# Altium PCB PM12_CFD.PcbDoc (part 6 of 12)
Units mm, origin at the board's own origin, x right, y up, seen from the top; angles counter-clockwise.
Board outline 96.25 x 362.25 mm, 6 copper layers (Top Layer, Mid-Layer 1, Mid-Layer 2, Mid-Layer 3, Mid-Layer 4, Bottom Layer); 1413 components, 2881 nets, 4503 pads, 1682 vias.
Unrouted connection lines stored in the file: 4.
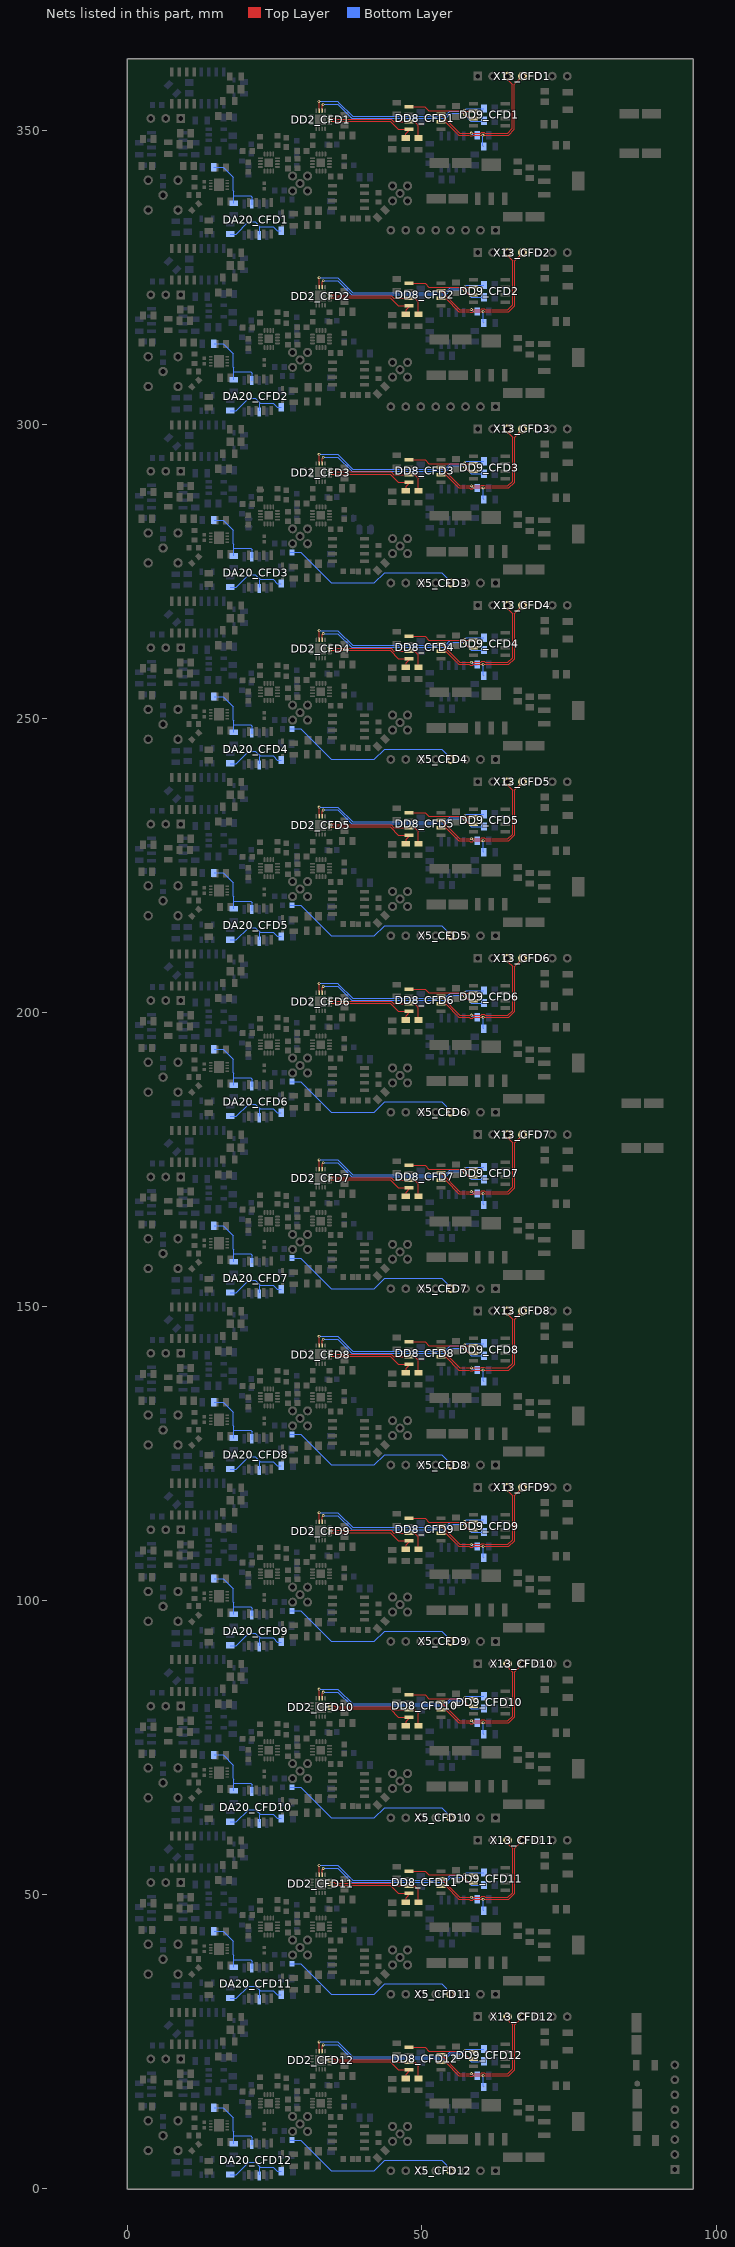
[diagram p10: the nets of this part, all layers, seen from the top]

## Via types
v1: diameter 0.48, hole 0.25, Top Layer to Bottom Layer, 1581 vias
v2: diameter 1, hole 0.6, Top Layer to Bottom Layer, 46 vias
v3: diameter 0.2/0/0/0/0/0.48 (per signal layer), hole 0.25, Top Layer to Bottom Layer, 33 vias
v4: diameter 4, hole 2.2, Top Layer to Bottom Layer, 12 vias
v5: diameter 0.5/0/0/0/0/1 (per signal layer), hole 0.6, Top Layer to Bottom Layer, 10 vias

## Nets (pads, with @x,y where several pads share a name; then routed paths per layer and width w, separated by ;. In a path a pad name is that pad's centre, name@x,y a point inside that pad or via, vN(x,y) a via of type N, cw(c..) or ccw(c..) an arc to the next point about the centre after c; other vN are vias at no path point) (continued)
DA10_VP_CFD3: R24_CFD3.1 X5_CFD3.4 | length 30.8
  Bottom Layer w0.2: R24_CFD3.1@27.6,278.2 29.364,278.2 34.554,273.01 41.915,273.01 43.655,274.75 53.33,274.75 X5_CFD3.4@54.88,273.2
DA10_VP_CFD4: R24_CFD4.1 X5_CFD4.4 | length 30.8
  Bottom Layer w0.2: R24_CFD4.1@27.6,248.2 29.364,248.2 34.554,243.01 41.915,243.01 43.655,244.75 53.33,244.75 X5_CFD4.4@54.88,243.2
DA10_VP_CFD5: R24_CFD5.1 X5_CFD5.4 | length 30.8
  Bottom Layer w0.2: R24_CFD5.1@27.6,218.2 29.364,218.2 34.554,213.01 41.915,213.01 43.655,214.75 53.33,214.75 X5_CFD5.4@54.88,213.2
DA10_VP_CFD6: R24_CFD6.1 X5_CFD6.4 | length 30.8
  Bottom Layer w0.2: R24_CFD6.1@27.6,188.2 29.364,188.2 34.554,183.01 41.915,183.01 43.655,184.75 53.33,184.75 X5_CFD6.4@54.88,183.2
DA10_VP_CFD7: R24_CFD7.1 X5_CFD7.4 | length 30.8
  Bottom Layer w0.2: R24_CFD7.1@27.6,158.2 29.364,158.2 34.554,153.01 41.915,153.01 43.655,154.75 53.33,154.75 X5_CFD7.4@54.88,153.2
DA10_VP_CFD8: R24_CFD8.1 X5_CFD8.4 | length 30.8
  Bottom Layer w0.2: R24_CFD8.1@27.6,128.2 29.364,128.2 34.554,123.01 41.915,123.01 43.655,124.75 53.33,124.75 X5_CFD8.4@54.88,123.2
DA10_VP_CFD9: R24_CFD9.1 X5_CFD9.4 | length 30.8
  Bottom Layer w0.2: R24_CFD9.1@27.6,98.2 29.364,98.2 34.554,93.01 41.915,93.01 43.655,94.75 53.33,94.75 X5_CFD9.4@54.88,93.2
DA10_VP_CFD10: R24_CFD10.1 X5_CFD10.4 | length 30.8
  Bottom Layer w0.2: R24_CFD10.1@27.6,68.2 29.364,68.2 34.554,63.01 41.915,63.01 43.655,64.75 53.33,64.75 X5_CFD10.4@54.88,63.2
DA10_VP_CFD11: R24_CFD11.1 X5_CFD11.4 | length 30.8
  Bottom Layer w0.2: R24_CFD11.1@27.6,38.2 29.364,38.2 34.554,33.01 41.915,33.01 43.655,34.75 53.33,34.75 X5_CFD11.4@54.88,33.2
DA10_VP_CFD12: R24_CFD12.1 X5_CFD12.4 | length 30.8
  Bottom Layer w0.2: R24_CFD12.1@27.6,8.2 29.364,8.2 34.554,3.01 41.915,3.01 43.655,4.75 53.33,4.75 X5_CFD12.4@54.88,3.2
DA20_CFD1_N: C15_CFD1.1 DA20_CFD1.2 R42_CFD1.2 | length 11.5
  Bottom Layer w0.2: C15_CFD1.1@17.37,332.3 18.377,332.3 20.477,334.4 21.63,334.4 22.43,333.6 ; DA20_CFD1.2@22.4,332.3 22.4,333.57 22.43,333.6 ; R42_CFD1.2@26.056,332.9 25.37,332.9 24.67,333.6 22.43,333.6
DA20_CFD1_OUT: 
DA20_CFD2_N: C15_CFD2.1 DA20_CFD2.2 R42_CFD2.2 | length 11.5
  Bottom Layer w0.2: C15_CFD2.1@17.4,302.3 18.407,302.3 20.507,304.4 21.66,304.4 22.46,303.6 ; DA20_CFD2.2@22.43,302.3 22.43,303.57 22.46,303.6 ; R42_CFD2.2@26.086,302.9 25.4,302.9 24.7,303.6 22.46,303.6
DA20_CFD3_N: C15_CFD3.1 DA20_CFD3.2 R42_CFD3.2 | length 11.5
  Bottom Layer w0.2: C15_CFD3.1@17.4,272.3 18.407,272.3 20.507,274.4 21.66,274.4 22.46,273.6 ; DA20_CFD3.2@22.43,272.3 22.43,273.57 22.46,273.6 ; R42_CFD3.2@26.086,272.9 25.4,272.9 24.7,273.6 22.46,273.6
DA20_CFD4_N: C15_CFD4.1 DA20_CFD4.2 R42_CFD4.2 | length 11.5
  Bottom Layer w0.2: C15_CFD4.1@17.4,242.3 18.407,242.3 20.507,244.4 21.66,244.4 22.46,243.6 ; DA20_CFD4.2@22.43,242.3 22.43,243.57 22.46,243.6 ; R42_CFD4.2@26.086,242.9 25.4,242.9 24.7,243.6 22.46,243.6
DA20_CFD5_N: C15_CFD5.1 DA20_CFD5.2 R42_CFD5.2 | length 11.5
  Bottom Layer w0.2: C15_CFD5.1@17.4,212.3 18.407,212.3 20.507,214.4 21.66,214.4 22.46,213.6 ; DA20_CFD5.2@22.43,212.3 22.43,213.57 22.46,213.6 ; R42_CFD5.2@26.086,212.9 25.4,212.9 24.7,213.6 22.46,213.6
DA20_CFD6_N: C15_CFD6.1 DA20_CFD6.2 R42_CFD6.2 | length 11.5
  Bottom Layer w0.2: C15_CFD6.1@17.4,182.3 18.407,182.3 20.507,184.4 21.66,184.4 22.46,183.6 ; DA20_CFD6.2@22.43,182.3 22.43,183.57 22.46,183.6 ; R42_CFD6.2@26.086,182.9 25.4,182.9 24.7,183.6 22.46,183.6
DA20_CFD7_N: C15_CFD7.1 DA20_CFD7.2 R42_CFD7.2 | length 11.5
  Bottom Layer w0.2: C15_CFD7.1@17.4,152.3 18.407,152.3 20.507,154.4 21.66,154.4 22.46,153.6 ; DA20_CFD7.2@22.43,152.3 22.43,153.57 22.46,153.6 ; R42_CFD7.2@26.086,152.9 25.4,152.9 24.7,153.6 22.46,153.6
DA20_CFD8_N: C15_CFD8.1 DA20_CFD8.2 R42_CFD8.2 | length 11.5
  Bottom Layer w0.2: C15_CFD8.1@17.4,122.3 18.407,122.3 20.507,124.4 21.66,124.4 22.46,123.6 ; DA20_CFD8.2@22.43,122.3 22.43,123.57 22.46,123.6 ; R42_CFD8.2@26.086,122.9 25.4,122.9 24.7,123.6 22.46,123.6
DA20_CFD9_N: C15_CFD9.1 DA20_CFD9.2 R42_CFD9.2 | length 11.5
  Bottom Layer w0.2: C15_CFD9.1@17.4,92.3 18.407,92.3 20.507,94.4 21.66,94.4 22.46,93.6 ; DA20_CFD9.2@22.43,92.3 22.43,93.57 22.46,93.6 ; R42_CFD9.2@26.086,92.9 25.4,92.9 24.7,93.6 22.46,93.6
DA20_CFD10_N: C15_CFD10.1 DA20_CFD10.2 R42_CFD10.2 | length 11.5
  Bottom Layer w0.2: C15_CFD10.1@17.4,62.3 18.407,62.3 20.507,64.4 21.66,64.4 22.46,63.6 ; DA20_CFD10.2@22.43,62.3 22.43,63.57 22.46,63.6 ; R42_CFD10.2@26.086,62.9 25.4,62.9 24.7,63.6 22.46,63.6
DA20_CFD11_N: C15_CFD11.1 DA20_CFD11.2 R42_CFD11.2 | length 11.5
  Bottom Layer w0.2: C15_CFD11.1@17.4,32.3 18.407,32.3 20.507,34.4 21.66,34.4 22.46,33.6 ; DA20_CFD11.2@22.43,32.3 22.43,33.57 22.46,33.6 ; R42_CFD11.2@26.086,32.9 25.4,32.9 24.7,33.6 22.46,33.6
DA20_CFD12_N: C15_CFD12.1 DA20_CFD12.2 R42_CFD12.2 | length 11.5
  Bottom Layer w0.2: C15_CFD12.1@17.4,2.3 18.407,2.3 20.507,4.4 21.66,4.4 22.46,3.6 ; DA20_CFD12.2@22.43,2.3 22.43,3.57 22.46,3.6 ; R42_CFD12.2@26.086,2.9 25.4,2.9 24.7,3.6 22.46,3.6
DA20_OUT_CFD1: DA20_CFD1.6 pad.1@17.97,338.9 R14_CFD1.2 R41_CFD1.1 | length 13
  Bottom Layer w0.2: R41_CFD1.1@14.6,343.7 16.169,343.7 17.88,341.989 17.88,339.697 17.97,339.607 pad.1@17.97,338.9 ; R14_CFD1.2@17.97,337.6 pad.1@17.97,338.9 ; DA20_CFD1.6@21.13,337.3 21.13,338.64 20.87,338.9 pad.1@17.97,338.9
DA20_OUT_CFD2: DA20_CFD2.6 R14_CFD2.2 R41_CFD2.1 | length 13
  Bottom Layer w0.2: R41_CFD2.1@14.63,313.7 16.199,313.7 17.91,311.989 17.91,309.697 18,309.607 18,308.9 ; R14_CFD2.2@18,307.6 18,308.9 ; DA20_CFD2.6@21.16,307.3 21.16,308.64 20.9,308.9 18,308.9
DA20_OUT_CFD3: DA20_CFD3.6 R14_CFD3.2 R41_CFD3.1 | length 13
  Bottom Layer w0.2: R41_CFD3.1@14.63,283.7 16.199,283.7 17.91,281.989 17.91,279.697 18,279.607 18,278.9 ; R14_CFD3.2@18,277.6 18,278.9 ; DA20_CFD3.6@21.16,277.3 21.16,278.64 20.9,278.9 18,278.9
DA20_OUT_CFD4: DA20_CFD4.6 R14_CFD4.2 R41_CFD4.1 | length 13
  Bottom Layer w0.2: R41_CFD4.1@14.63,253.7 16.199,253.7 17.91,251.989 17.91,249.697 18,249.607 18,248.9 ; R14_CFD4.2@18,247.6 18,248.9 ; DA20_CFD4.6@21.16,247.3 21.16,248.64 20.9,248.9 18,248.9
DA20_OUT_CFD5: DA20_CFD5.6 R14_CFD5.2 R41_CFD5.1 | length 13
  Bottom Layer w0.2: R41_CFD5.1@14.63,223.7 16.199,223.7 17.91,221.989 17.91,219.697 18,219.607 18,218.9 ; R14_CFD5.2@18,217.6 18,218.9 ; DA20_CFD5.6@21.16,217.3 21.16,218.64 20.9,218.9 18,218.9
DA20_OUT_CFD6: DA20_CFD6.6 R14_CFD6.2 R41_CFD6.1 | length 13
  Bottom Layer w0.2: R41_CFD6.1@14.63,193.7 16.199,193.7 17.91,191.989 17.91,189.697 18,189.607 18,188.9 ; R14_CFD6.2@18,187.6 18,188.9 ; DA20_CFD6.6@21.16,187.3 21.16,188.64 20.9,188.9 18,188.9
DA20_OUT_CFD7: DA20_CFD7.6 R14_CFD7.2 R41_CFD7.1 | length 13
  Bottom Layer w0.2: R41_CFD7.1@14.63,163.7 16.199,163.7 17.91,161.989 17.91,159.697 18,159.607 18,158.9 ; R14_CFD7.2@18,157.6 18,158.9 ; DA20_CFD7.6@21.16,157.3 21.16,158.64 20.9,158.9 18,158.9
DA20_OUT_CFD8: DA20_CFD8.6 R14_CFD8.2 R41_CFD8.1 | length 13
  Bottom Layer w0.2: R41_CFD8.1@14.63,133.7 16.199,133.7 17.91,131.989 17.91,129.697 18,129.607 18,128.9 ; R14_CFD8.2@18,127.6 18,128.9 ; DA20_CFD8.6@21.16,127.3 21.16,128.64 20.9,128.9 18,128.9
DA20_OUT_CFD9: DA20_CFD9.6 R14_CFD9.2 R41_CFD9.1 | length 13
  Bottom Layer w0.2: R41_CFD9.1@14.63,103.7 16.199,103.7 17.91,101.989 17.91,99.697 18,99.607 18,98.9 ; R14_CFD9.2@18,97.6 18,98.9 ; DA20_CFD9.6@21.16,97.3 21.16,98.64 20.9,98.9 18,98.9
DA20_OUT_CFD10: DA20_CFD10.6 R14_CFD10.2 R41_CFD10.1 | length 13
  Bottom Layer w0.2: R41_CFD10.1@14.63,73.7 16.199,73.7 17.91,71.989 17.91,69.697 18,69.607 18,68.9 ; R14_CFD10.2@18,67.6 18,68.9 ; DA20_CFD10.6@21.16,67.3 21.16,68.64 20.9,68.9 18,68.9
DA20_OUT_CFD11: DA20_CFD11.6 R14_CFD11.2 R41_CFD11.1 | length 13
  Bottom Layer w0.2: R41_CFD11.1@14.63,43.7 16.199,43.7 17.91,41.989 17.91,39.697 18,39.607 18,38.9 ; R14_CFD11.2@18,37.6 18,38.9 ; DA20_CFD11.6@21.16,37.3 21.16,38.64 20.9,38.9 18,38.9
DA20_OUT_CFD12: DA20_CFD12.6 R14_CFD12.2 R41_CFD12.1 | length 13
  Bottom Layer w0.2: R41_CFD12.1@14.63,13.7 16.199,13.7 17.91,11.989 17.91,9.697 18,9.607 18,8.9 ; R14_CFD12.2@18,7.6 18,8.9 ; DA20_CFD12.6@21.16,7.3 21.16,8.64 20.9,8.9 18,8.9
DD2_CFD1_Q_N: 
DD2_CFD1_Q_P: 
DD2_CFD1_R_N: 
DD2_CFD1_R_P: 
DD2_Q_CFD1_N: DD2_CFD1.10 DD8_CFD1.4 R7_CFD1.1 | length 16.1
  Top Layer w0.2: DD2_CFD1.10@34.27,351.53 44.59,351.53 45.974,350.146 47.985,350.146 47.27,349.431 R7_CFD1.1@47.27,348.65
DD2_Q_CFD1_P: DD2_CFD1.11 DD8_CFD1.3 R3_CFD1.1 | length 17.8
  Top Layer w0.2: DD2_CFD1.11@34.27,352.03 35.04,352.03 35.19,351.88 44.735,351.88 45.199,351.416 47.985,351.416 48.754,351.416 49.37,350.8 49.37,348.65 R3_CFD1.1@49.37,348.63
DD2_Q_CFD2_N: DD2_CFD2.10 DD8_CFD2.4 R7_CFD2.1 | length 16.1
  Top Layer w0.2: DD2_CFD2.10@34.3,321.53 44.62,321.53 46.004,320.146 48.015,320.146 47.3,319.431 R7_CFD2.1@47.3,318.65
DD2_Q_CFD2_P: DD2_CFD2.11 DD8_CFD2.3 R3_CFD2.1 | length 17.8
  Top Layer w0.2: DD2_CFD2.11@34.3,322.03 35.07,322.03 35.22,321.88 44.765,321.88 45.229,321.416 48.015,321.416 48.784,321.416 49.4,320.8 49.4,318.65 R3_CFD2.1@49.4,318.63
DD2_Q_CFD3_N: DD2_CFD3.10 DD8_CFD3.4 R7_CFD3.1 | length 16.1
  Top Layer w0.2: DD2_CFD3.10@34.3,291.53 44.62,291.53 46.004,290.146 48.015,290.146 47.3,289.431 R7_CFD3.1@47.3,288.65
DD2_Q_CFD3_P: DD2_CFD3.11 DD8_CFD3.3 R3_CFD3.1 | length 17.8
  Top Layer w0.2: DD2_CFD3.11@34.3,292.03 35.07,292.03 35.22,291.88 44.765,291.88 45.228,291.416 48.015,291.416 48.784,291.416 49.4,290.8 49.4,288.65 R3_CFD3.1@49.4,288.63
DD2_Q_CFD4_N: DD2_CFD4.10 DD8_CFD4.4 R7_CFD4.1 | length 16.1
  Top Layer w0.2: DD2_CFD4.10@34.3,261.53 44.62,261.53 46.004,260.146 48.015,260.146 47.3,259.431 R7_CFD4.1@47.3,258.65
DD2_Q_CFD4_P: DD2_CFD4.11 DD8_CFD4.3 R3_CFD4.1 | length 17.8
  Top Layer w0.2: DD2_CFD4.11@34.3,262.03 35.07,262.03 35.22,261.88 44.765,261.88 45.228,261.416 48.015,261.416 48.784,261.416 49.4,260.8 49.4,258.65 R3_CFD4.1@49.4,258.63
DD2_Q_CFD5_N: DD2_CFD5.10 DD8_CFD5.4 R7_CFD5.1 | length 16.1
  Top Layer w0.2: DD2_CFD5.10@34.3,231.53 44.62,231.53 46.004,230.146 48.015,230.146 47.3,229.431 R7_CFD5.1@47.3,228.65
DD2_Q_CFD5_P: DD2_CFD5.11 DD8_CFD5.3 R3_CFD5.1 | length 17.8
  Top Layer w0.2: DD2_CFD5.11@34.3,232.03 35.07,232.03 35.22,231.88 44.765,231.88 45.228,231.416 48.015,231.416 48.784,231.416 49.4,230.8 49.4,228.65 R3_CFD5.1@49.4,228.63
DD2_Q_CFD6_N: DD2_CFD6.10 DD8_CFD6.4 R7_CFD6.1 | length 16.1
  Top Layer w0.2: DD2_CFD6.10@34.3,201.53 44.62,201.53 46.004,200.146 48.015,200.146 47.3,199.431 R7_CFD6.1@47.3,198.65
DD2_Q_CFD6_P: DD2_CFD6.11 DD8_CFD6.3 R3_CFD6.1 | length 17.8
  Top Layer w0.2: DD2_CFD6.11@34.3,202.03 35.07,202.03 35.22,201.88 44.765,201.88 45.228,201.416 48.015,201.416 48.784,201.416 49.4,200.8 49.4,198.65 R3_CFD6.1@49.4,198.63
DD2_Q_CFD7_N: DD2_CFD7.10 DD8_CFD7.4 R7_CFD7.1 | length 16.1
  Top Layer w0.2: DD2_CFD7.10@34.3,171.53 44.62,171.53 46.004,170.146 48.015,170.146 47.3,169.431 R7_CFD7.1@47.3,168.65
DD2_Q_CFD7_P: DD2_CFD7.11 DD8_CFD7.3 R3_CFD7.1 | length 17.8
  Top Layer w0.2: DD2_CFD7.11@34.3,172.03 35.07,172.03 35.22,171.88 44.765,171.88 45.228,171.416 48.015,171.416 48.784,171.416 49.4,170.8 49.4,168.65 R3_CFD7.1@49.4,168.63
DD2_Q_CFD8_N: DD2_CFD8.10 DD8_CFD8.4 R7_CFD8.1 | length 16.1
  Top Layer w0.2: DD2_CFD8.10@34.3,141.53 44.62,141.53 46.004,140.146 48.015,140.146 47.3,139.431 R7_CFD8.1@47.3,138.65
DD2_Q_CFD8_P: DD2_CFD8.11 DD8_CFD8.3 R3_CFD8.1 | length 17.8
  Top Layer w0.2: DD2_CFD8.11@34.3,142.03 35.07,142.03 35.22,141.88 44.765,141.88 45.228,141.416 48.015,141.416 48.784,141.416 49.4,140.8 49.4,138.65 R3_CFD8.1@49.4,138.63
DD2_Q_CFD9_N: DD2_CFD9.10 DD8_CFD9.4 R7_CFD9.1 | length 16.1
  Top Layer w0.2: DD2_CFD9.10@34.3,111.53 44.62,111.53 46.004,110.146 48.015,110.146 47.3,109.431 R7_CFD9.1@47.3,108.65
DD2_Q_CFD9_P: DD2_CFD9.11 DD8_CFD9.3 R3_CFD9.1 | length 17.8
  Top Layer w0.2: DD2_CFD9.11@34.3,112.03 35.07,112.03 35.22,111.88 44.765,111.88 45.228,111.416 48.015,111.416 48.784,111.416 49.4,110.8 49.4,108.65 R3_CFD9.1@49.4,108.63
DD2_Q_CFD10_N: DD2_CFD10.10 DD8_CFD10.4 R7_CFD10.1 | length 16.1
  Top Layer w0.2: DD2_CFD10.10@34.3,81.53 44.62,81.53 46.004,80.146 48.015,80.146 47.3,79.431 R7_CFD10.1@47.3,78.65
DD2_Q_CFD10_P: DD2_CFD10.11 DD8_CFD10.3 R3_CFD10.1 | length 17.8
  Top Layer w0.2: DD2_CFD10.11@34.3,82.03 35.07,82.03 35.22,81.88 44.765,81.88 45.228,81.416 48.015,81.416 48.784,81.416 49.4,80.8 49.4,78.65 R3_CFD10.1@49.4,78.63
DD2_Q_CFD11_N: DD2_CFD11.10 DD8_CFD11.4 R7_CFD11.1 | length 16.1
  Top Layer w0.2: DD2_CFD11.10@34.3,51.53 44.62,51.53 46.004,50.146 48.015,50.146 47.3,49.431 R7_CFD11.1@47.3,48.65
DD2_Q_CFD11_P: DD2_CFD11.11 DD8_CFD11.3 R3_CFD11.1 | length 17.8
  Top Layer w0.2: DD2_CFD11.11@34.3,52.03 35.07,52.03 35.22,51.88 44.765,51.88 45.228,51.416 48.015,51.416 48.784,51.416 49.4,50.8 49.4,48.65 R3_CFD11.1@49.4,48.63
DD2_Q_CFD12_N: DD2_CFD12.10 DD8_CFD12.4 R7_CFD12.1 | length 16.1
  Top Layer w0.2: DD2_CFD12.10@34.3,21.53 44.62,21.53 46.004,20.146 48.015,20.146 47.3,19.431 R7_CFD12.1@47.3,18.65
DD2_Q_CFD12_P: DD2_CFD12.11 DD8_CFD12.3 R3_CFD12.1 | length 17.8
  Top Layer w0.2: DD2_CFD12.11@34.3,22.03 35.07,22.03 35.22,21.88 44.765,21.88 45.228,21.416 48.015,21.416 48.784,21.416 49.4,20.8 49.4,18.65 R3_CFD12.1@49.4,18.63
DD2_R_CFD1_N: C17_CFD1.1 DD2_CFD1.15 DD9_CFD1.6 | length 33
  Top Layer w0.2: v1(32.47,354.902) 32.52,354.852 DD2_CFD1.15@32.52,353.28 ; v1(57.239,353.39) 57.362,353.267 DD9_CFD1.6@58.955,353.267
  Bottom Layer w0.2: v1(32.47,354.902) 35.667,354.902 35.77,354.8 38.184,352.386 53.878,352.386 54.01,352.518 54.01,352.523 54.654,353.167 54.659,353.167 54.742,353.25 57.099,353.25 v1(57.239,353.39) 57.516,353.667 C17_CFD1.1@60.485,353.667
DD2_R_CFD1_P: C16_CFD1.1 DD2_CFD1.14 DD8_CFD1.1 DD9_CFD1.7 pad.1@37.936,352.139 | length 42.2
  Top Layer w0.2: DD2_CFD1.14@33.02,353.28 33.02,354.25 v1(33.17,354.4) ; DD8_CFD1.1@47.985,353.956 50.504,353.956 51.16,353.3 56.636,353.3 57.2,352.736 v1(57.2,352.7) 57.299,352.7 58.002,351.997 DD9_CFD1.7@58.955,351.997
  Bottom Layer w0.2: v1(33.17,354.4) 35.675,354.4 pad.1@37.936,352.139 38.039,352.036 54.023,352.036 54.36,352.373 54.36,352.378 54.799,352.817 54.804,352.817 54.887,352.9 57,352.9 v1(57.2,352.7) 58.333,351.567 C16_CFD1.1@60.485,351.567
DD2_R_CFD2_N: C17_CFD2.1 DD2_CFD2.15 DD9_CFD2.6 | length 33
  Top Layer w0.2: v1(32.5,324.902) 32.55,324.852 DD2_CFD2.15@32.55,323.28 ; v1(57.269,323.39) 57.392,323.267 DD9_CFD2.6@58.985,323.267
  Bottom Layer w0.2: v1(32.5,324.902) 35.697,324.902 35.8,324.8 38.214,322.386 53.908,322.386 54.04,322.518 54.04,322.523 54.684,323.167 54.689,323.167 54.772,323.25 57.129,323.25 v1(57.269,323.39) 57.546,323.667 C17_CFD2.1@60.514,323.667
DD2_R_CFD2_P: C16_CFD2.1 DD2_CFD2.14 DD8_CFD2.1 DD9_CFD2.7 | length 42.2
  Top Layer w0.2: DD2_CFD2.14@33.05,323.28 33.05,324.25 v1(33.2,324.4) ; DD8_CFD2.1@48.015,323.956 50.534,323.956 51.19,323.3 56.666,323.3 57.23,322.736 v1(57.23,322.7) 57.329,322.7 58.032,321.997 DD9_CFD2.7@58.985,321.997
  Bottom Layer w0.2: v1(33.2,324.4) 35.705,324.4 37.966,322.139 38.069,322.036 54.053,322.036 54.39,322.373 54.39,322.378 54.829,322.817 54.834,322.817 54.917,322.9 57.03,322.9 v1(57.23,322.7) 58.363,321.567 C16_CFD2.1@60.514,321.567
DD2_R_CFD3_N: C17_CFD3.1 DD2_CFD3.15 DD9_CFD3.6 | length 33
  Top Layer w0.2: v1(32.5,294.902) 32.55,294.852 DD2_CFD3.15@32.55,293.28 ; v1(57.269,293.39) 57.392,293.267 DD9_CFD3.6@58.985,293.267
  Bottom Layer w0.2: v1(32.5,294.902) 35.697,294.902 35.8,294.8 38.214,292.386 53.908,292.386 54.039,292.518 54.039,292.523 54.684,293.167 54.689,293.167 54.772,293.25 57.129,293.25 v1(57.269,293.39) 57.546,293.667 C17_CFD3.1@60.514,293.667
DD2_R_CFD3_P: C16_CFD3.1 DD2_CFD3.14 DD8_CFD3.1 DD9_CFD3.7 | length 42.2
  Top Layer w0.2: DD2_CFD3.14@33.05,293.28 33.05,294.25 v1(33.2,294.4) ; DD8_CFD3.1@48.015,293.956 50.534,293.956 51.19,293.3 56.666,293.3 57.23,292.736 v1(57.23,292.7) 57.329,292.7 58.032,291.997 DD9_CFD3.7@58.985,291.997
  Bottom Layer w0.2: v1(33.2,294.4) 35.705,294.4 37.966,292.139 38.069,292.036 54.053,292.036 54.389,292.373 54.389,292.378 54.829,292.817 54.834,292.817 54.917,292.9 57.03,292.9 v1(57.23,292.7) 58.363,291.567 C16_CFD3.1@60.514,291.567
DD2_R_CFD4_N: C17_CFD4.1 DD2_CFD4.15 DD9_CFD4.6 | length 33
  Top Layer w0.2: v1(32.5,264.902) 32.55,264.852 DD2_CFD4.15@32.55,263.28 ; v1(57.269,263.39) 57.392,263.267 DD9_CFD4.6@58.985,263.267
  Bottom Layer w0.2: v1(32.5,264.902) 35.697,264.902 35.8,264.8 38.214,262.386 53.908,262.386 54.039,262.518 54.039,262.523 54.684,263.167 54.689,263.167 54.772,263.25 57.129,263.25 v1(57.269,263.39) 57.546,263.667 C17_CFD4.1@60.514,263.667
DD2_R_CFD4_P: C16_CFD4.1 DD2_CFD4.14 DD8_CFD4.1 DD9_CFD4.7 | length 42.2
  Top Layer w0.2: DD2_CFD4.14@33.05,263.28 33.05,264.25 v1(33.2,264.4) ; DD8_CFD4.1@48.015,263.956 50.534,263.956 51.19,263.3 56.666,263.3 57.23,262.736 v1(57.23,262.7) 57.329,262.7 58.032,261.997 DD9_CFD4.7@58.985,261.997
  Bottom Layer w0.2: v1(33.2,264.4) 35.705,264.4 37.966,262.139 38.069,262.036 54.053,262.036 54.389,262.373 54.389,262.378 54.829,262.817 54.834,262.817 54.917,262.9 57.03,262.9 v1(57.23,262.7) 58.363,261.567 C16_CFD4.1@60.514,261.567
DD2_R_CFD5_N: C17_CFD5.1 DD2_CFD5.15 DD9_CFD5.6 | length 33
  Top Layer w0.2: v1(32.5,234.902) 32.55,234.852 DD2_CFD5.15@32.55,233.28 ; v1(57.269,233.39) 57.392,233.267 DD9_CFD5.6@58.985,233.267
  Bottom Layer w0.2: v1(32.5,234.902) 35.697,234.902 35.8,234.8 38.214,232.386 53.908,232.386 54.039,232.518 54.039,232.523 54.684,233.167 54.689,233.167 54.772,233.25 57.129,233.25 v1(57.269,233.39) 57.546,233.667 C17_CFD5.1@60.514,233.667
DD2_R_CFD5_P: C16_CFD5.1 DD2_CFD5.14 DD8_CFD5.1 DD9_CFD5.7 | length 42.2
  Top Layer w0.2: DD2_CFD5.14@33.05,233.28 33.05,234.25 v1(33.2,234.4) ; DD8_CFD5.1@48.015,233.956 50.534,233.956 51.19,233.3 56.666,233.3 57.23,232.736 v1(57.23,232.7) 57.329,232.7 58.032,231.997 DD9_CFD5.7@58.985,231.997
  Bottom Layer w0.2: v1(33.2,234.4) 35.705,234.4 37.966,232.139 38.069,232.036 54.053,232.036 54.389,232.373 54.389,232.378 54.829,232.817 54.834,232.817 54.917,232.9 57.03,232.9 v1(57.23,232.7) 58.363,231.567 C16_CFD5.1@60.514,231.567
DD2_R_CFD6_N: C17_CFD6.1 DD2_CFD6.15 DD9_CFD6.6 | length 33
  Top Layer w0.2: v1(32.5,204.902) 32.55,204.852 DD2_CFD6.15@32.55,203.28 ; v1(57.269,203.39) 57.392,203.267 DD9_CFD6.6@58.985,203.267
  Bottom Layer w0.2: v1(32.5,204.902) 35.697,204.902 35.8,204.8 38.214,202.386 53.908,202.386 54.039,202.518 54.039,202.523 54.684,203.167 54.689,203.167 54.772,203.25 57.129,203.25 v1(57.269,203.39) 57.546,203.667 C17_CFD6.1@60.514,203.667
DD2_R_CFD6_P: C16_CFD6.1 DD2_CFD6.14 DD8_CFD6.1 DD9_CFD6.7 | length 42.2
  Top Layer w0.2: DD2_CFD6.14@33.05,203.28 33.05,204.25 v1(33.2,204.4) ; DD8_CFD6.1@48.015,203.956 50.534,203.956 51.19,203.3 56.666,203.3 57.23,202.736 v1(57.23,202.7) 57.329,202.7 58.032,201.997 DD9_CFD6.7@58.985,201.997
  Bottom Layer w0.2: v1(33.2,204.4) 35.705,204.4 37.966,202.139 38.069,202.036 54.053,202.036 54.389,202.373 54.389,202.378 54.829,202.817 54.834,202.817 54.917,202.9 57.03,202.9 v1(57.23,202.7) 58.363,201.567 C16_CFD6.1@60.514,201.567
DD2_R_CFD7_N: C17_CFD7.1 DD2_CFD7.15 DD9_CFD7.6 | length 33
  Top Layer w0.2: v1(32.5,174.902) 32.55,174.852 DD2_CFD7.15@32.55,173.28 ; v1(57.269,173.39) 57.392,173.267 DD9_CFD7.6@58.985,173.267
  Bottom Layer w0.2: v1(32.5,174.902) 35.697,174.902 35.8,174.8 38.214,172.386 53.908,172.386 54.039,172.518 54.039,172.523 54.684,173.167 54.689,173.167 54.772,173.25 57.129,173.25 v1(57.269,173.39) 57.546,173.667 C17_CFD7.1@60.514,173.667
DD2_R_CFD7_P: C16_CFD7.1 DD2_CFD7.14 DD8_CFD7.1 DD9_CFD7.7 | length 42.2
  Top Layer w0.2: DD2_CFD7.14@33.05,173.28 33.05,174.25 v1(33.2,174.4) ; DD8_CFD7.1@48.015,173.956 50.534,173.956 51.19,173.3 56.666,173.3 57.23,172.736 v1(57.23,172.7) 57.329,172.7 58.032,171.997 DD9_CFD7.7@58.985,171.997
  Bottom Layer w0.2: v1(33.2,174.4) 35.705,174.4 37.966,172.139 38.069,172.036 54.053,172.036 54.389,172.373 54.389,172.378 54.829,172.817 54.834,172.817 54.917,172.9 57.03,172.9 v1(57.23,172.7) 58.363,171.567 C16_CFD7.1@60.514,171.567
DD2_R_CFD8_N: C17_CFD8.1 DD2_CFD8.15 DD9_CFD8.6 | length 33
  Top Layer w0.2: v1(32.5,144.902) 32.55,144.852 DD2_CFD8.15@32.55,143.28 ; v1(57.269,143.39) 57.392,143.267 DD9_CFD8.6@58.985,143.267
  Bottom Layer w0.2: v1(32.5,144.902) 35.697,144.902 35.8,144.8 38.214,142.386 53.908,142.386 54.039,142.518 54.039,142.523 54.684,143.167 54.689,143.167 54.772,143.25 57.129,143.25 v1(57.269,143.39) 57.546,143.667 C17_CFD8.1@60.514,143.667
DD2_R_CFD8_P: C16_CFD8.1 DD2_CFD8.14 DD8_CFD8.1 DD9_CFD8.7 | length 42.2
  Top Layer w0.2: DD2_CFD8.14@33.05,143.28 33.05,144.25 v1(33.2,144.4) ; DD8_CFD8.1@48.015,143.956 50.534,143.956 51.19,143.3 56.666,143.3 57.23,142.736 v1(57.23,142.7) 57.329,142.7 58.032,141.997 DD9_CFD8.7@58.985,141.997
  Bottom Layer w0.2: v1(33.2,144.4) 35.705,144.4 37.966,142.139 38.069,142.036 54.053,142.036 54.389,142.373 54.389,142.378 54.829,142.817 54.834,142.817 54.917,142.9 57.03,142.9 v1(57.23,142.7) 58.363,141.567 C16_CFD8.1@60.514,141.567
DD2_R_CFD9_N: C17_CFD9.1 DD2_CFD9.15 DD9_CFD9.6 | length 33
  Top Layer w0.2: v1(32.5,114.902) 32.55,114.852 DD2_CFD9.15@32.55,113.28 ; v1(57.269,113.39) 57.392,113.267 DD9_CFD9.6@58.985,113.267
  Bottom Layer w0.2: v1(32.5,114.902) 35.697,114.902 35.8,114.8 38.214,112.386 53.908,112.386 54.039,112.518 54.039,112.523 54.684,113.167 54.689,113.167 54.772,113.25 57.129,113.25 v1(57.269,113.39) 57.546,113.667 C17_CFD9.1@60.514,113.667
DD2_R_CFD9_P: C16_CFD9.1 DD2_CFD9.14 DD8_CFD9.1 DD9_CFD9.7 | length 42.2
  Top Layer w0.2: DD2_CFD9.14@33.05,113.28 33.05,114.25 v1(33.2,114.4) ; DD8_CFD9.1@48.015,113.956 50.534,113.956 51.19,113.3 56.666,113.3 57.23,112.736 v1(57.23,112.7) 57.329,112.7 58.032,111.997 DD9_CFD9.7@58.985,111.997
  Bottom Layer w0.2: v1(33.2,114.4) 35.705,114.4 37.966,112.139 38.069,112.036 54.053,112.036 54.389,112.373 54.389,112.378 54.829,112.817 54.834,112.817 54.917,112.9 57.03,112.9 v1(57.23,112.7) 58.363,111.567 C16_CFD9.1@60.514,111.567
DD2_R_CFD10_N: C17_CFD10.1 DD2_CFD10.15 DD9_CFD10.6 | length 33
  Top Layer w0.2: v1(32.5,84.902) 32.55,84.852 DD2_CFD10.15@32.55,83.28 ; v1(57.269,83.39) 57.392,83.267 DD9_CFD10.6@58.985,83.267
  Bottom Layer w0.2: v1(32.5,84.902) 35.697,84.902 35.8,84.8 38.214,82.386 53.908,82.386 54.039,82.518 54.039,82.523 54.684,83.167 54.689,83.167 54.772,83.25 57.129,83.25 v1(57.269,83.39) 57.546,83.667 C17_CFD10.1@60.514,83.667
DD2_R_CFD10_P: C16_CFD10.1 DD2_CFD10.14 DD8_CFD10.1 DD9_CFD10.7 | length 42.2
  Top Layer w0.2: DD2_CFD10.14@33.05,83.28 33.05,84.25 v1(33.2,84.4) ; DD8_CFD10.1@48.015,83.956 50.534,83.956 51.19,83.3 56.666,83.3 57.23,82.736 v1(57.23,82.7) 57.329,82.7 58.032,81.997 DD9_CFD10.7@58.985,81.997
  Bottom Layer w0.2: v1(33.2,84.4) 35.705,84.4 37.966,82.139 38.069,82.036 54.053,82.036 54.389,82.373 54.389,82.378 54.829,82.817 54.834,82.817 54.917,82.9 57.03,82.9 v1(57.23,82.7) 58.363,81.567 C16_CFD10.1@60.514,81.567
DD2_R_CFD11_N: C17_CFD11.1 DD2_CFD11.15 DD9_CFD11.6 | length 33
  Top Layer w0.2: v1(32.5,54.902) 32.55,54.852 DD2_CFD11.15@32.55,53.28 ; v1(57.269,53.39) 57.392,53.267 DD9_CFD11.6@58.985,53.267
  Bottom Layer w0.2: v1(32.5,54.902) 35.698,54.902 38.214,52.386 53.908,52.386 54.039,52.518 54.039,52.523 54.684,53.167 54.689,53.167 54.772,53.25 57.129,53.25 v1(57.269,53.39) 57.546,53.667 C17_CFD11.1@60.514,53.667
DD2_R_CFD11_P: C16_CFD11.1 DD2_CFD11.14 DD8_CFD11.1 DD9_CFD11.7 | length 42.2
  Top Layer w0.2: DD2_CFD11.14@33.05,53.28 33.05,54.25 v1(33.2,54.4) ; DD8_CFD11.1@48.015,53.956 50.534,53.956 51.19,53.3 56.666,53.3 57.23,52.736 v1(57.23,52.7) 57.329,52.7 58.032,51.997 DD9_CFD11.7@58.985,51.997
  Bottom Layer w0.2: v1(33.2,54.4) 35.705,54.4 37.966,52.139 38.069,52.036 54.053,52.036 54.389,52.373 54.389,52.378 54.829,52.817 54.834,52.817 54.917,52.9 57.03,52.9 v1(57.23,52.7) 58.363,51.567 C16_CFD11.1@60.514,51.567
DD2_R_CFD12_N: C17_CFD12.1 DD2_CFD12.15 DD9_CFD12.6 | length 33
  Top Layer w0.2: v1(32.5,24.902) 32.55,24.852 DD2_CFD12.15@32.55,23.28 ; v1(57.269,23.39) 57.392,23.267 DD9_CFD12.6@58.985,23.267
  Bottom Layer w0.2: v1(32.5,24.902) 35.697,24.902 35.8,24.8 38.214,22.386 53.908,22.386 54.039,22.518 54.039,22.523 54.684,23.167 54.689,23.167 54.772,23.25 57.129,23.25 v1(57.269,23.39) 57.546,23.667 C17_CFD12.1@60.514,23.667
DD2_R_CFD12_P: C16_CFD12.1 DD2_CFD12.14 DD8_CFD12.1 DD9_CFD12.7 | length 42.2
  Top Layer w0.2: DD2_CFD12.14@33.05,23.28 33.05,24.25 v1(33.2,24.4) ; DD8_CFD12.1@48.015,23.956 50.534,23.956 51.19,23.3 56.666,23.3 57.23,22.736 v1(57.23,22.7) 57.329,22.7 58.032,21.997 DD9_CFD12.7@58.985,21.997
  Bottom Layer w0.2: v1(33.2,24.4) 35.705,24.4 37.966,22.139 38.069,22.036 54.053,22.036 54.389,22.373 54.389,22.378 54.829,22.817 54.834,22.817 54.917,22.9 57.03,22.9 v1(57.23,22.7) 58.363,21.567 C16_CFD12.1@60.514,21.567
DD8_CFD1_Q_N: 
DD8_CFD1_Q_P: 
DD8_Q_CFD1_N: DD8_CFD1.6 R18_CFD1.1 X13_CFD1.4 | length 25.7
  Top Layer w0.2: DD8_CFD1.6@52.985,351.416 53.986,351.416 56.238,349.164 58.027,349.164 58.167,349.024 58.573,349.024 58.713,349.164 v1(60.37,349.164) 64.729,349.164 65.72,350.155 65.72,357.83 X13_CFD1.4@67.09,359.2
  Bottom Layer w0.2: v1(60.37,349.164) 60.37,347.322 R18_CFD1.1@60.433,347.259
DD8_Q_CFD1_P: DD8_CFD1.7 R44_CFD1.1 X13_CFD1.3 | length 24.6
  Top Layer w0.2: DD8_CFD1.7@52.985,352.686 53.211,352.686 56.383,349.514 v1(58.37,349.514) 60.027,349.514 60.167,349.654 60.573,349.654 60.713,349.514 64.584,349.514 65.37,350.3 65.37,357.8 64.55,358.62 X13_CFD1.3@64.55,359.2
  Bottom Layer w0.2: v1(58.37,349.514) 58.751,349.133 R44_CFD1.1@59.401,349.133
DD8_Q_CFD2_N: DD8_CFD2.6 R18_CFD2.1 X13_CFD2.4 | length 25.7
  Top Layer w0.2: DD8_CFD2.6@53.015,321.416 54.016,321.416 56.268,319.164 58.057,319.164 58.197,319.024 58.603,319.024 58.743,319.164 v1(60.4,319.164) 64.759,319.164 65.75,320.155 65.75,327.83 X13_CFD2.4@67.12,329.2
  Bottom Layer w0.2: v1(60.4,319.164) 60.4,317.322 R18_CFD2.1@60.463,317.259
DD8_Q_CFD2_P: DD8_CFD2.7 R44_CFD2.1 X13_CFD2.3 | length 24.6
  Top Layer w0.2: DD8_CFD2.7@53.015,322.686 53.241,322.686 56.413,319.514 v1(58.4,319.514) 60.057,319.514 60.197,319.654 60.603,319.654 60.743,319.514 64.614,319.514 65.4,320.3 65.4,327.8 64.58,328.62 X13_CFD2.3@64.58,329.2
  Bottom Layer w0.2: v1(58.4,319.514) 58.781,319.133 R44_CFD2.1@59.431,319.133
DD8_Q_CFD3_N: DD8_CFD3.6 R18_CFD3.1 X13_CFD3.4 | length 25.7
  Top Layer w0.2: DD8_CFD3.6@53.015,291.416 54.016,291.416 56.268,289.164 58.057,289.164 58.197,289.024 58.603,289.024 58.743,289.164 v1(60.4,289.164) 64.759,289.164 65.75,290.155 65.75,297.83 X13_CFD3.4@67.12,299.2
  Bottom Layer w0.2: v1(60.4,289.164) 60.4,287.322 R18_CFD3.1@60.463,287.259
DD8_Q_CFD3_P: DD8_CFD3.7 R44_CFD3.1 X13_CFD3.3 | length 24.6
  Top Layer w0.2: DD8_CFD3.7@53.015,292.686 53.241,292.686 56.413,289.514 v1(58.4,289.514) 60.057,289.514 60.197,289.654 60.603,289.654 60.743,289.514 64.614,289.514 65.4,290.3 65.4,297.8 64.58,298.62 X13_CFD3.3@64.58,299.2
  Bottom Layer w0.2: v1(58.4,289.514) 58.781,289.133 R44_CFD3.1@59.431,289.133
DD8_Q_CFD4_N: DD8_CFD4.6 R18_CFD4.1 X13_CFD4.4 | length 25.7
  Top Layer w0.2: DD8_CFD4.6@53.015,261.416 54.016,261.416 56.268,259.164 58.057,259.164 58.197,259.024 58.603,259.024 58.743,259.164 v1(60.4,259.164) 64.759,259.164 65.75,260.155 65.75,267.83 X13_CFD4.4@67.12,269.2
  Bottom Layer w0.2: v1(60.4,259.164) 60.4,257.322 R18_CFD4.1@60.463,257.259
DD8_Q_CFD4_P: DD8_CFD4.7 R44_CFD4.1 X13_CFD4.3 | length 24.6
  Top Layer w0.2: DD8_CFD4.7@53.015,262.686 53.241,262.686 56.413,259.514 v1(58.4,259.514) 60.057,259.514 60.197,259.654 60.603,259.654 60.743,259.514 64.614,259.514 65.4,260.3 65.4,267.8 64.58,268.62 X13_CFD4.3@64.58,269.2
  Bottom Layer w0.2: v1(58.4,259.514) 58.781,259.133 R44_CFD4.1@59.431,259.133
DD8_Q_CFD5_N: DD8_CFD5.6 R18_CFD5.1 X13_CFD5.4 | length 25.7
  Top Layer w0.2: DD8_CFD5.6@53.015,231.416 54.016,231.416 56.268,229.164 58.057,229.164 58.197,229.024 58.603,229.024 58.743,229.164 v1(60.4,229.164) 64.759,229.164 65.75,230.155 65.75,237.83 X13_CFD5.4@67.12,239.2
  Bottom Layer w0.2: v1(60.4,229.164) 60.4,227.322 R18_CFD5.1@60.463,227.259
DD8_Q_CFD5_P: DD8_CFD5.7 R44_CFD5.1 X13_CFD5.3 | length 24.6
  Top Layer w0.2: DD8_CFD5.7@53.015,232.686 53.241,232.686 56.413,229.514 v1(58.4,229.514) 60.057,229.514 60.197,229.654 60.603,229.654 60.743,229.514 64.614,229.514 65.4,230.3 65.4,237.8 64.58,238.62 X13_CFD5.3@64.58,239.2
  Bottom Layer w0.2: v1(58.4,229.514) 58.781,229.133 R44_CFD5.1@59.431,229.133
DD8_Q_CFD6_N: DD8_CFD6.6 R18_CFD6.1 X13_CFD6.4 | length 25.7
  Top Layer w0.2: DD8_CFD6.6@53.015,201.416 54.016,201.416 56.268,199.164 58.057,199.164 58.197,199.024 58.603,199.024 58.743,199.164 v1(60.4,199.164) 64.759,199.164 65.75,200.155 65.75,207.83 X13_CFD6.4@67.12,209.2
  Bottom Layer w0.2: v1(60.4,199.164) 60.4,197.322 R18_CFD6.1@60.463,197.259
DD8_Q_CFD6_P: DD8_CFD6.7 R44_CFD6.1 X13_CFD6.3 | length 24.6
  Top Layer w0.2: DD8_CFD6.7@53.015,202.686 53.241,202.686 56.413,199.514 v1(58.4,199.514) 60.057,199.514 60.197,199.654 60.603,199.654 60.743,199.514 64.614,199.514 65.4,200.3 65.4,207.8 64.58,208.62 X13_CFD6.3@64.58,209.2
  Bottom Layer w0.2: v1(58.4,199.514) 58.781,199.133 R44_CFD6.1@59.431,199.133
DD8_Q_CFD7_N: DD8_CFD7.6 R18_CFD7.1 X13_CFD7.4 | length 25.7
  Top Layer w0.2: DD8_CFD7.6@53.015,171.416 54.016,171.416 56.268,169.164 58.057,169.164 58.197,169.024 58.603,169.024 58.743,169.164 v1(60.4,169.164) 64.759,169.164 65.75,170.155 65.75,177.83 X13_CFD7.4@67.12,179.2
  Bottom Layer w0.2: v1(60.4,169.164) 60.4,167.322 R18_CFD7.1@60.463,167.259
DD8_Q_CFD7_P: DD8_CFD7.7 R44_CFD7.1 X13_CFD7.3 | length 24.6
  Top Layer w0.2: DD8_CFD7.7@53.015,172.686 53.241,172.686 56.413,169.514 v1(58.4,169.514) 60.057,169.514 60.197,169.654 60.603,169.654 60.743,169.514 64.614,169.514 65.4,170.3 65.4,177.8 64.58,178.62 X13_CFD7.3@64.58,179.2
  Bottom Layer w0.2: v1(58.4,169.514) 58.781,169.133 R44_CFD7.1@59.431,169.133
DD8_Q_CFD8_N: DD8_CFD8.6 R18_CFD8.1 X13_CFD8.4 | length 25.7
  Top Layer w0.2: DD8_CFD8.6@53.015,141.416 54.016,141.416 56.268,139.164 58.057,139.164 58.197,139.024 58.603,139.024 58.743,139.164 v1(60.4,139.164) 64.759,139.164 65.75,140.155 65.75,147.83 X13_CFD8.4@67.12,149.2
  Bottom Layer w0.2: v1(60.4,139.164) 60.4,137.322 R18_CFD8.1@60.463,137.259
DD8_Q_CFD8_P: DD8_CFD8.7 R44_CFD8.1 X13_CFD8.3 | length 24.6
  Top Layer w0.2: DD8_CFD8.7@53.015,142.686 53.241,142.686 56.413,139.514 v1(58.4,139.514) 60.057,139.514 60.197,139.654 60.603,139.654 60.743,139.514 64.614,139.514 65.4,140.3 65.4,147.8 64.58,148.62 X13_CFD8.3@64.58,149.2
  Bottom Layer w0.2: v1(58.4,139.514) 58.781,139.133 R44_CFD8.1@59.431,139.133
DD8_Q_CFD9_N: DD8_CFD9.6 R18_CFD9.1 X13_CFD9.4 | length 25.7
  Top Layer w0.2: DD8_CFD9.6@53.015,111.416 54.016,111.416 56.268,109.164 58.057,109.164 58.197,109.024 58.603,109.024 58.743,109.164 v1(60.4,109.164) 64.759,109.164 65.75,110.155 65.75,117.83 X13_CFD9.4@67.12,119.2
  Bottom Layer w0.2: v1(60.4,109.164) 60.4,107.322 R18_CFD9.1@60.463,107.259
DD8_Q_CFD9_P: DD8_CFD9.7 R44_CFD9.1 X13_CFD9.3 | length 24.6
  Top Layer w0.2: DD8_CFD9.7@53.015,112.686 53.241,112.686 56.413,109.514 v1(58.4,109.514) 60.057,109.514 60.197,109.654 60.603,109.654 60.743,109.514 64.614,109.514 65.4,110.3 65.4,117.8 64.58,118.62 X13_CFD9.3@64.58,119.2
  Bottom Layer w0.2: v1(58.4,109.514) 58.781,109.133 R44_CFD9.1@59.431,109.133
DD8_Q_CFD10_N: DD8_CFD10.6 R18_CFD10.1 X13_CFD10.4 | length 25.7
  Top Layer w0.2: DD8_CFD10.6@53.015,81.416 54.016,81.416 56.268,79.164 58.057,79.164 58.197,79.024 58.603,79.024 58.743,79.164 v1(60.4,79.164) 64.759,79.164 65.75,80.155 65.75,87.83 X13_CFD10.4@67.12,89.2
  Bottom Layer w0.2: v1(60.4,79.164) 60.4,77.322 R18_CFD10.1@60.463,77.259
DD8_Q_CFD10_P: DD8_CFD10.7 R44_CFD10.1 X13_CFD10.3 | length 24.6
  Top Layer w0.2: DD8_CFD10.7@53.015,82.686 53.241,82.686 56.413,79.514 v1(58.4,79.514) 60.057,79.514 60.197,79.654 60.603,79.654 60.743,79.514 64.614,79.514 65.4,80.3 65.4,87.8 64.58,88.62 X13_CFD10.3@64.58,89.2
  Bottom Layer w0.2: v1(58.4,79.514) 58.781,79.133 R44_CFD10.1@59.431,79.133
DD8_Q_CFD11_N: DD8_CFD11.6 R18_CFD11.1 X13_CFD11.4 | length 25.7
  Top Layer w0.2: DD8_CFD11.6@53.015,51.416 54.016,51.416 56.268,49.164 58.057,49.164 58.197,49.024 58.603,49.024 58.743,49.164 v1(60.4,49.164) 64.759,49.164 65.75,50.155 65.75,57.83 X13_CFD11.4@67.12,59.2
  Bottom Layer w0.2: v1(60.4,49.164) 60.4,47.322 R18_CFD11.1@60.463,47.259
DD8_Q_CFD11_P: DD8_CFD11.7 R44_CFD11.1 X13_CFD11.3 | length 24.6
  Top Layer w0.2: DD8_CFD11.7@53.015,52.686 53.241,52.686 56.413,49.514 v1(58.4,49.514) 60.057,49.514 60.197,49.654 60.603,49.654 60.743,49.514 64.614,49.514 65.4,50.3 65.4,57.8 64.58,58.62 X13_CFD11.3@64.58,59.2
  Bottom Layer w0.2: v1(58.4,49.514) 58.781,49.133 R44_CFD11.1@59.431,49.133
DD8_Q_CFD12_N: DD8_CFD12.6 R18_CFD12.1 X13_CFD12.4 | length 25.7
  Top Layer w0.2: DD8_CFD12.6@53.015,21.416 54.016,21.416 56.268,19.164 58.057,19.164 58.197,19.024 58.603,19.024 58.743,19.164 v1(60.4,19.164) 64.759,19.164 65.75,20.155 65.75,27.83 X13_CFD12.4@67.12,29.2
  Bottom Layer w0.2: v1(60.4,19.164) 60.4,17.322 R18_CFD12.1@60.463,17.259
DD8_Q_CFD12_P: DD8_CFD12.7 R44_CFD12.1 X13_CFD12.3 | length 24.6
  Top Layer w0.2: DD8_CFD12.7@53.015,22.686 53.241,22.686 56.413,19.514 v1(58.4,19.514) 60.057,19.514 60.197,19.654 60.603,19.654 60.743,19.514 64.614,19.514 65.4,20.3 65.4,27.8 64.58,28.62 X13_CFD12.3@64.58,29.2
  Bottom Layer w0.2: v1(58.4,19.514) 58.781,19.133 R44_CFD12.1@59.431,19.133